# KiCad board Main.kicad_pcb
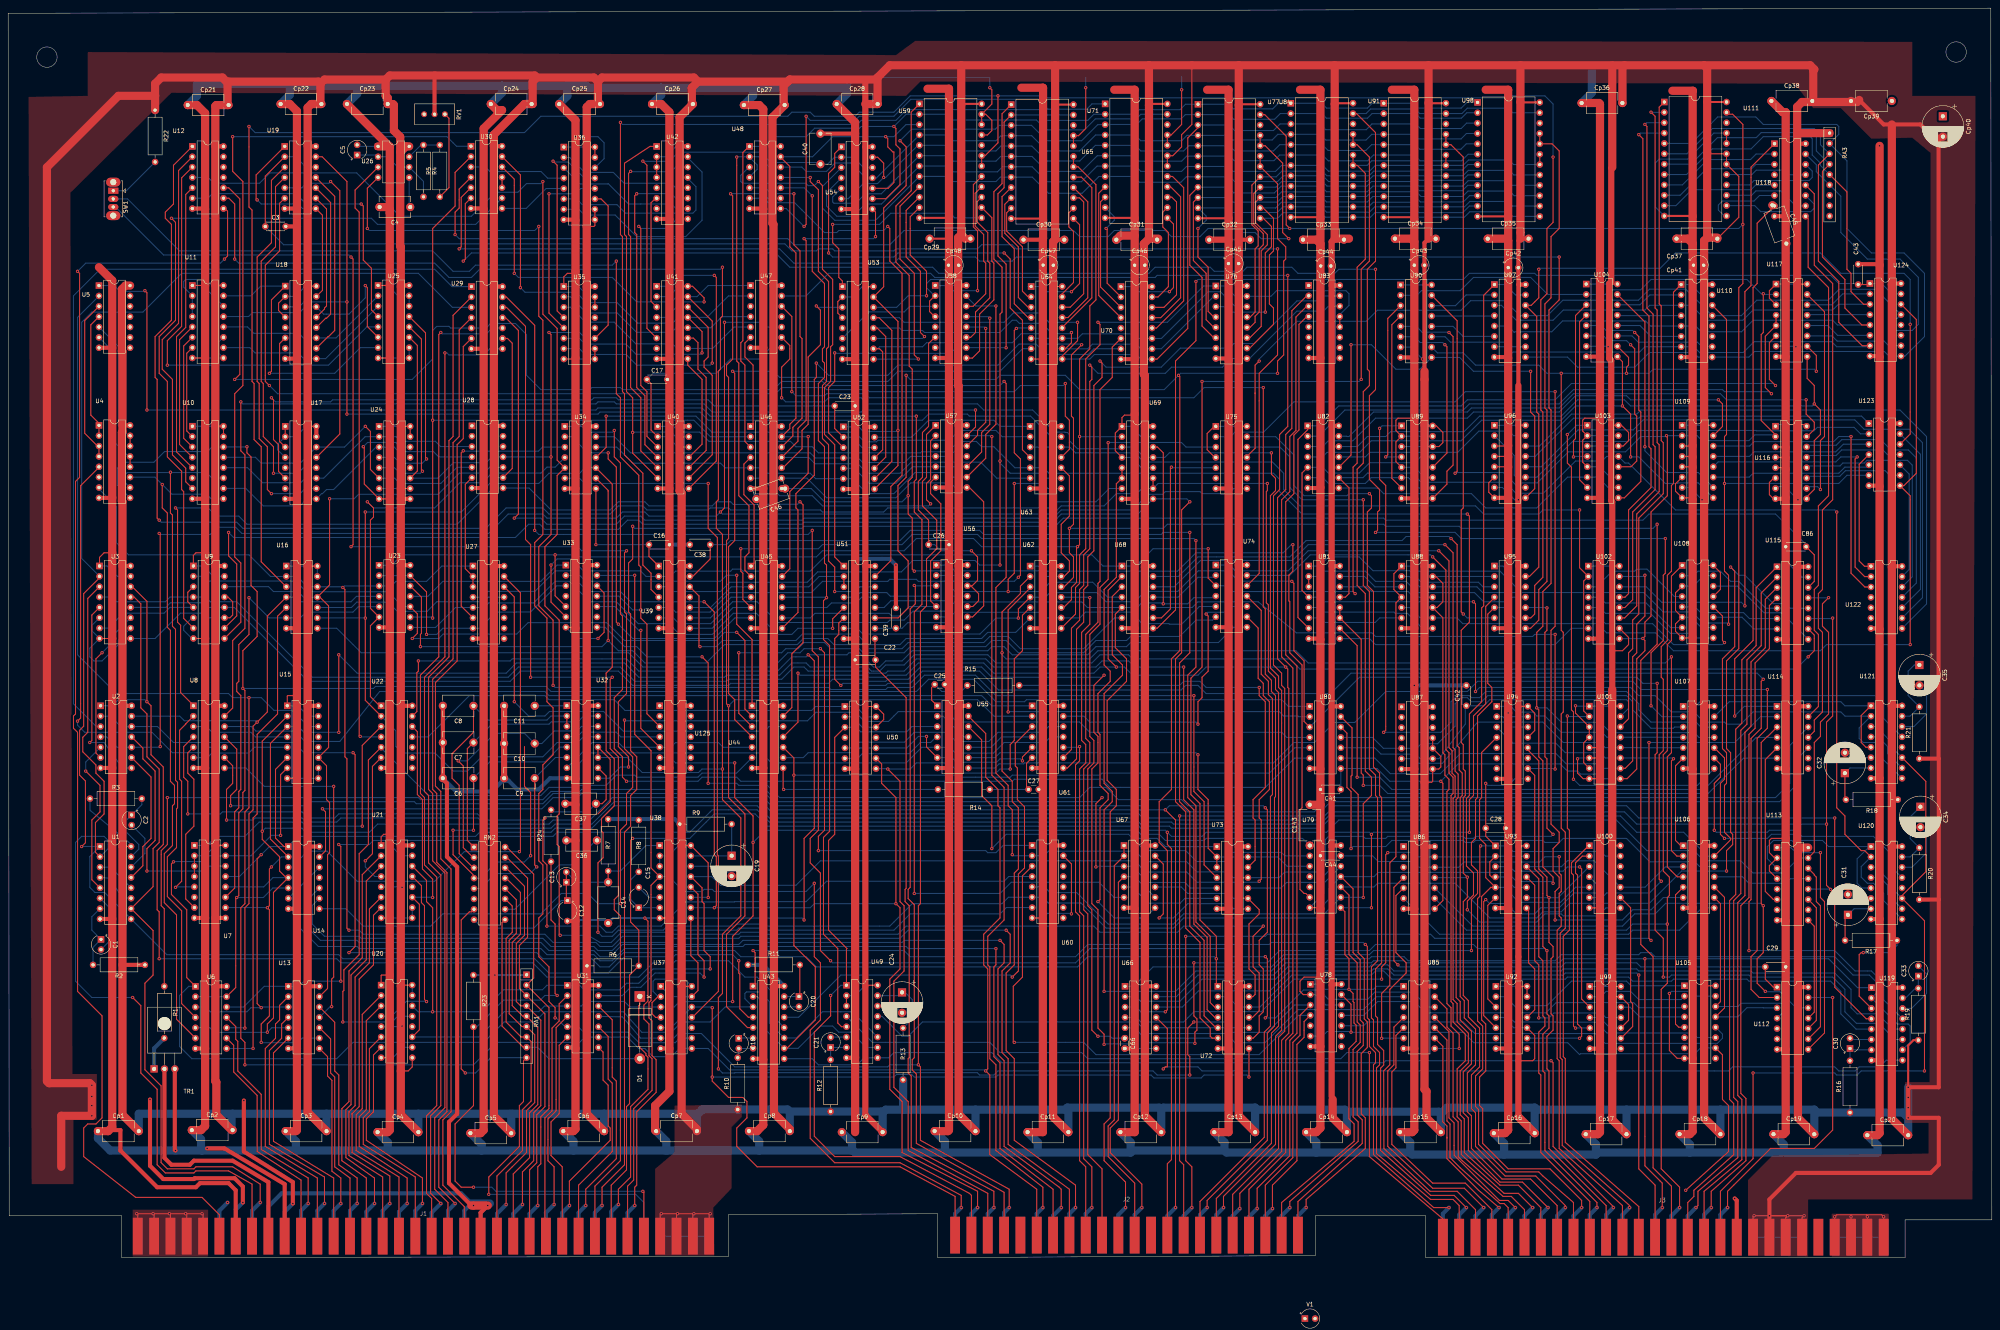
[diagram p0: board, top side]
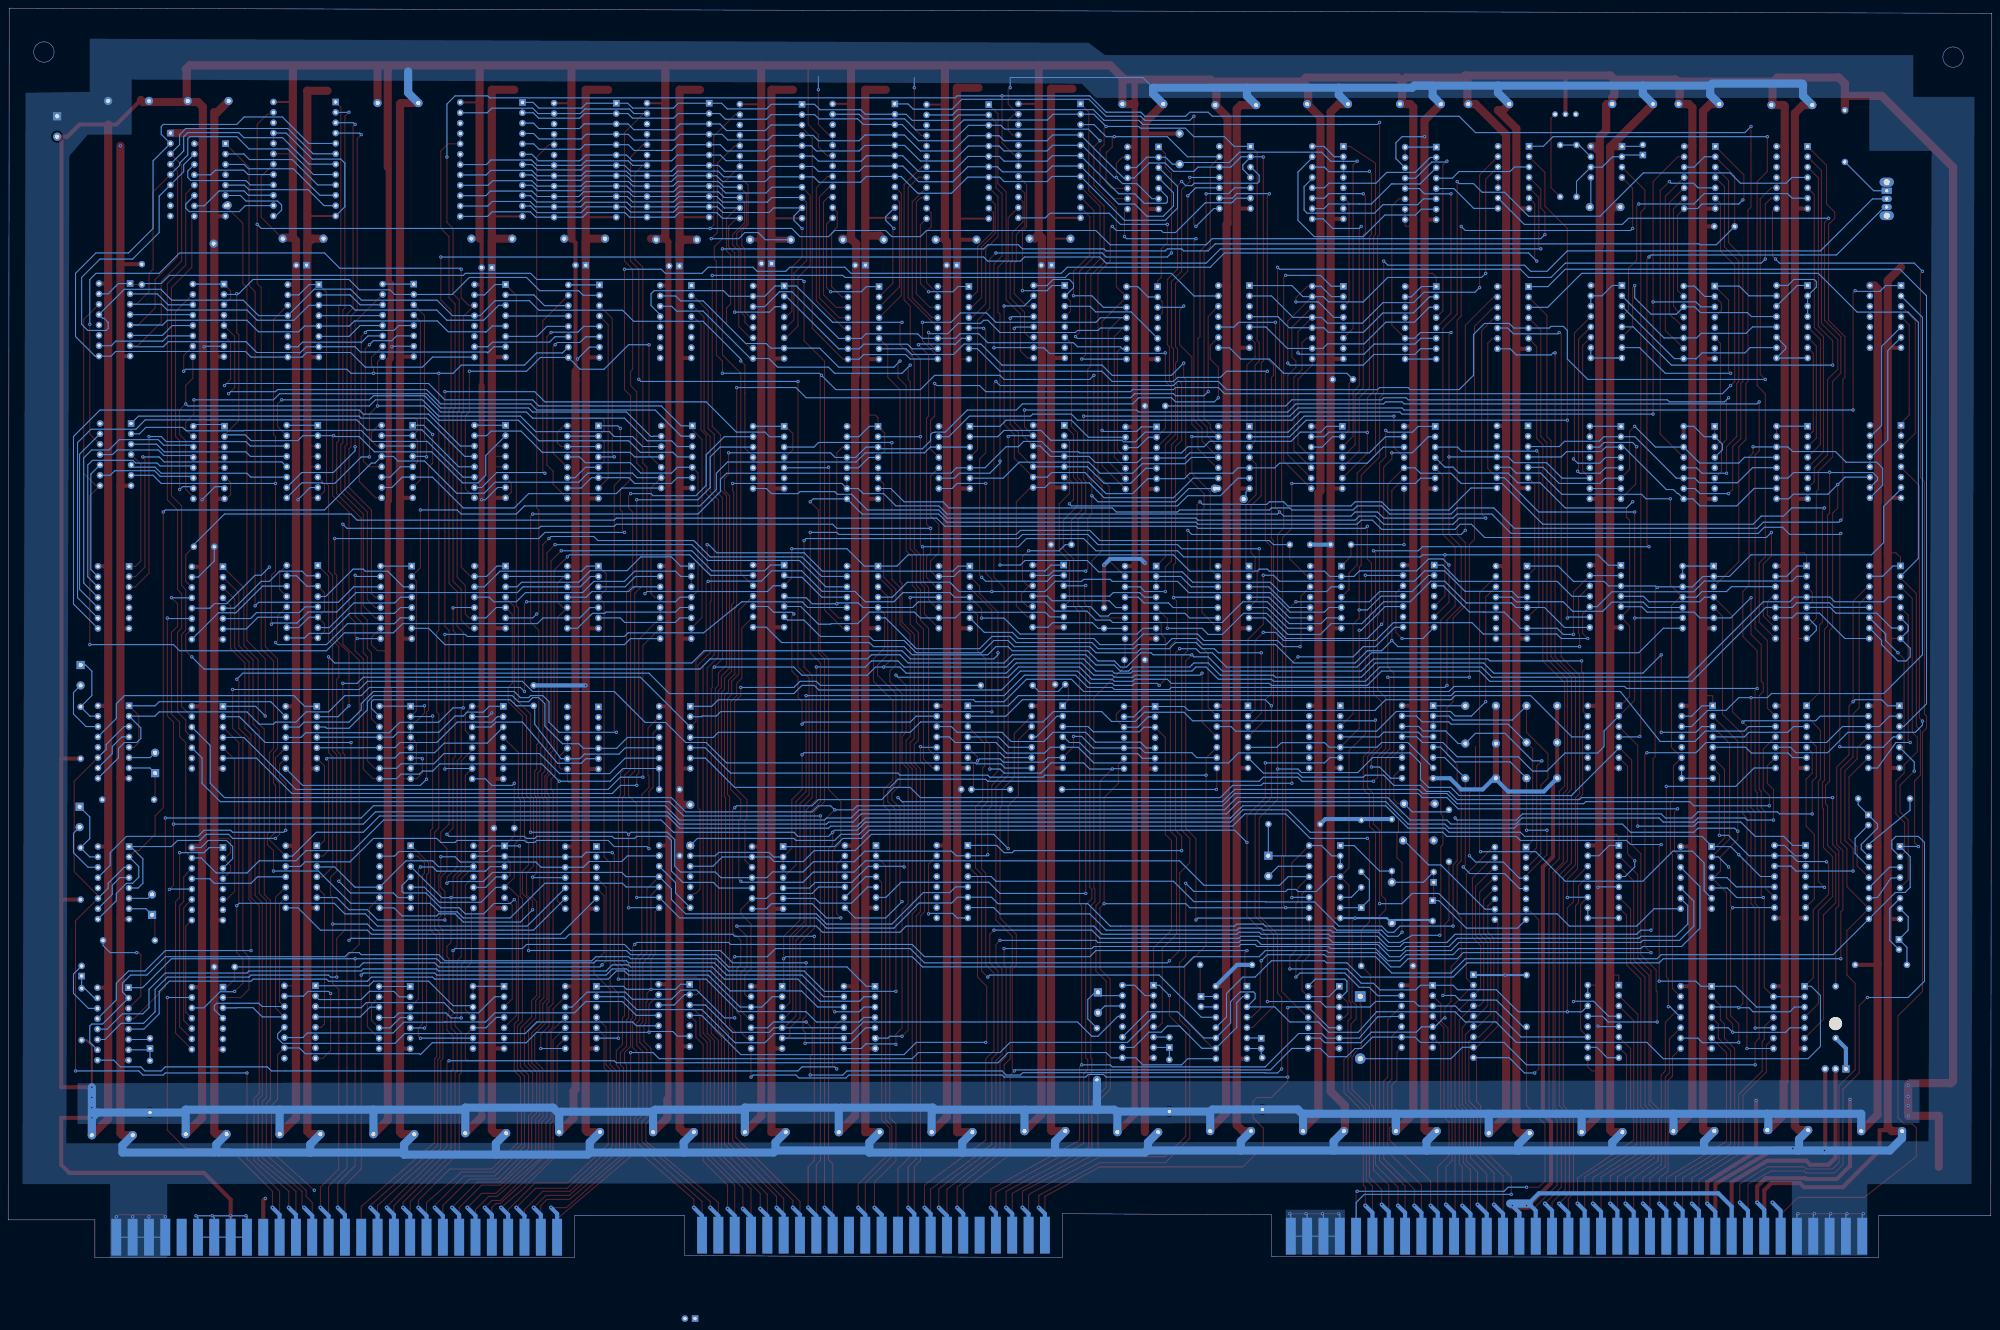
[diagram p1: board, bottom side, seen from below]

Outline 486 x 306.25 mm; copper layers: Top, Bottom. Coordinates in mm from the lower left corner of the outline.
Outline path: circle c9.5,294.25 r2.5 ; circle c477.25,295.5 r2.5 ; 0,305 0.25,10.25 27.75,10.25 27.75,0 176.5,0.25 176.5,10.5 227.75,10.75 227.75,0 320.25,0.5 320.25,10.25 347.25,10.25 347.25,0 464.75,0 464.75,9.25 486,9.25 485.75,306.25 0,305
Stack: Top 0.035mm / dielectric 1.51mm FR4 er 4.5 / Bottom 0.035mm

## Placement (name value [footprint] x y rotation side)
C1  4.7m  [CP_Radial_Tantal_D4.5mm_P2.50mm]  22.75 78 270 top
C2  4.7m  [CP_Radial_Tantal_D4.5mm_P2.50mm]  30.25 108.5 270 top
C3  470p  [C_Disc_D4.3mm_W1.9mm_P5.00mm]  63 252.75 0 top
C4  0.1u  [C_Disc_D7.5mm_W5.0mm_P7.50mm]  98.5 257.5 180 top
C5  47u  [CP_Radial_Tantal_D4.5mm_P2.50mm]  85.5 270.25 90 top
C6  680p  [C_Disc_D7.5mm_W5.0mm_P7.50mm]  114 117.5 180 top
C7  0.1u  [C_Disc_D7.5mm_W5.0mm_P7.50mm]  114 126.25 180 top
C8  0.1u  [C_Disc_D7.5mm_W5.0mm_P7.50mm]  114 135.25 180 top
C9  0.1u  [C_Disc_D7.5mm_W5.0mm_P7.50mm]  129 117.5 180 top
C10  0.1u  [C_Disc_D7.5mm_W5.0mm_P7.50mm]  129 126 180 top
C11  470m  [C_Disc_D7.5mm_W5.0mm_P7.50mm]  129 135.25 180 top
C12  0.01m  [CP_Radial_Tantal_D4.5mm_P5.00mm]  137 87.5 270 top
C13  0.01m  [CP_Radial_Tantal_D4.5mm_P2.50mm]  136.75 92 90 top
C14  47  [C_Disc_D7.5mm_W5.0mm_P10.00mm]  147 92 270 top
C15  0.1m  [CP_Radial_Tantal_D4.5mm_P5.00mm]  154.5 85.75 90 top
C16  470p  [C_Disc_D4.3mm_W1.9mm_P5.00mm]  157 174.75 0 top
C17  470p  [C_Disc_D4.3mm_W1.9mm_P5.00mm]  156.5 215.25 0 top
C18  15u  [CP_Radial_Tantal_D4.5mm_P2.50mm]  179 53.75 270 top
C19  470m  [CP_Radial_D10.0mm_P5.00mm]  177.25 98.5 270 top
C20  10u  [CP_Radial_Tantal_D4.5mm_P2.50mm]  193.75 64 270 top
C21  22m  [CP_Radial_Tantal_D4.5mm_P2.50mm]  201.5 51.5 90 top
C22  470p  [C_Disc_D4.3mm_W1.9mm_P5.00mm]  212.5 146.5 180 top
C23  470p  [C_Disc_D4.3mm_W1.9mm_P5.00mm]  202.5 208.75 0 top
C24  100m  [CP_Radial_D10.0mm_P5.00mm]  219 65 270 top
C25  1000p  [C_Disc_D3.0mm_W1.6mm_P2.50mm]  227 140.5 0 top
C26  470p  [C_Disc_D4.3mm_W1.9mm_P5.00mm]  225.5 174.75 0 top
C27  1000p  [C_Disc_D3.0mm_W1.6mm_P2.50mm]  250 114.75 0 top
C28  470m  [C_Disc_D4.3mm_W1.9mm_P5.00mm]  362 105.25 0 top
C29  470m  [C_Disc_D4.3mm_W1.9mm_P5.00mm]  430.5 71.25 0 top
C30  10m  [CP_Radial_Tantal_D4.5mm_P2.50mm]  451.25 51.25 90 top
C31  470m  [CP_Radial_D10.0mm_P5.00mm]  450.75 84 90 top
C32  470m  [CP_Radial_D10.0mm_P5.00mm]  450 118.75 90 top
C33  10m  [CP_Radial_Tantal_D4.5mm_P2.50mm]  468 69 90 top
C34  470m  [CP_Radial_D10.0mm_P5.00mm]  468.5 110.5 270 top
C35  470m  [CP_Radial_D10.0mm_P5.00mm]  468.25 145.25 270 top
C36  0.1m  [C_Disc_D7.5mm_W5.0mm_P7.50mm]  144.25 102.25 180 top
C37  0.1m  [C_Disc_D7.5mm_W5.0mm_P7.50mm]  144 111.25 180 top
C38  680p  [C_Disc_D4.7mm_W2.5mm_P5.00mm]  172 174.75 180 top
C39  470p  [C_Disc_D4.3mm_W1.9mm_P5.00mm]  217.5 154.25 90 top
C40  680p  [C_Disc_D7.5mm_W5.0mm_P7.50mm]  199 268 90 top
C41  470p  [C_Disc_D4.3mm_W1.9mm_P5.00mm]  326.5 114.75 180 top
C42  470p  [C_Disc_D4.3mm_W1.9mm_P5.00mm]  357.25 135.25 90 top
C43  470m  [C_Disc_D4.3mm_W1.9mm_P5.00mm]  453.25 238.5 90 top
C44  470p  [C_Disc_D4.3mm_W1.9mm_P5.00mm]  326.5 98.5 180 top
C45  470p  [C_Disc_D7.5mm_W5.0mm_P10.00mm]  432.24 257.94 290 top
C46  470p  [C_Disc_D7.5mm_W5.0mm_P7.50mm]  190.36 188.5 200 top
C66  470m  [C_Disc_D3.0mm_W1.6mm_P2.50mm]  273.5 53.75 270 top
C86  0.01m  [C_Disc_D4.3mm_W1.9mm_P5.00mm]  440.5 174.25 180 top
C143  470p  [C_Disc_D7.5mm_W5.0mm_P10.00mm]  318.88 101 90 top
Cp1  100n  [C_Disc_D7.5mm_W5.0mm_P10.00mm]  22 31 0 top
Cp2  100n  [C_Disc_D7.5mm_W5.0mm_P10.00mm]  45 31.25 0 top
Cp3  100n  [C_Disc_D7.5mm_W5.0mm_P10.00mm]  68 31 0 top
Cp4  100n  [C_Disc_D7.5mm_W5.0mm_P10.00mm]  90.5 30.75 0 top
Cp5  100n  [C_Disc_D7.5mm_W5.0mm_P10.00mm]  113.25 30.5 0 top
Cp6  100n  [C_Disc_D7.5mm_W5.0mm_P10.00mm]  136 31 0 top
Cp7  100n  [C_Disc_D7.5mm_W5.0mm_P10.00mm]  158.75 31 0 top
Cp8  100n  [C_Disc_D7.5mm_W5.0mm_P10.00mm]  181.5 31 0 top
Cp9  100n  [C_Disc_D7.5mm_W5.0mm_P10.00mm]  204.25 30.75 0 top
Cp10  100n  [C_Disc_D7.5mm_W5.0mm_P10.00mm]  227 31 0 top
Cp11  100n  [C_Disc_D7.5mm_W5.0mm_P10.00mm]  249.75 30.75 0 top
Cp12  100n  [C_Disc_D7.5mm_W5.0mm_P10.00mm]  272.5 30.75 0 top
Cp13  100n  [C_Disc_D7.5mm_W5.0mm_P10.00mm]  295.5 30.75 0 top
Cp14  100n  [C_Disc_D7.5mm_W5.0mm_P10.00mm]  318 30.75 0 top
Cp15  100n  [C_Disc_D7.5mm_W5.0mm_P10.00mm]  341 30.75 0 top
Cp16  100n  [C_Disc_D7.5mm_W5.0mm_P10.00mm]  364 30.5 0 top
Cp17  100n  [C_Disc_D7.5mm_W5.0mm_P10.00mm]  386.5 30.25 0 top
Cp18  100n  [C_Disc_D7.5mm_W5.0mm_P10.00mm]  409.5 30.25 0 top
Cp19  100n  [C_Disc_D7.5mm_W5.0mm_P10.00mm]  432.5 30.25 0 top
Cp20  100n  [C_Disc_D7.5mm_W5.0mm_P10.00mm]  455.5 30 0 top
Cp21  100n  [C_Disc_D7.5mm_W5.0mm_P10.00mm]  44 282.5 0 top
Cp22  100n  [C_Disc_D7.5mm_W5.0mm_P10.00mm]  66.75 282.75 0 top
Cp23  100n  [C_Disc_D7.5mm_W5.0mm_P10.00mm]  83 282.75 0 top
Cp24  100n  [C_Disc_D7.5mm_W5.0mm_P10.00mm]  118.25 282.75 0 top
Cp25  100n  [C_Disc_D7.5mm_W5.0mm_P10.00mm]  135 282.75 0 top
Cp26  100n  [C_Disc_D7.5mm_W5.0mm_P10.00mm]  157.75 282.75 0 top
Cp27  100n  [C_Disc_D7.5mm_W5.0mm_P10.00mm]  180.25 282.5 0 top
Cp28  100n  [C_Disc_D7.5mm_W5.0mm_P10.00mm]  203 282.75 0 top
Cp29  100n  [C_Disc_D7.5mm_W5.0mm_P10.00mm]  225.75 249.75 0 top
Cp30  100n  [C_Disc_D7.5mm_W5.0mm_P10.00mm]  248.75 249.5 0 top
Cp31  100n  [C_Disc_D7.5mm_W5.0mm_P10.00mm]  271.5 249.5 0 top
Cp32  100n  [C_Disc_D7.5mm_W5.0mm_P10.00mm]  294.25 249.5 0 top
Cp33  100n  [C_Disc_D7.5mm_W5.0mm_P10.00mm]  317.25 249.5 0 top
Cp34  100n  [C_Disc_D7.5mm_W5.0mm_P10.00mm]  339.75 249.75 0 top
Cp35  100n  [C_Disc_D7.5mm_W5.0mm_P10.00mm]  362.5 249.75 0 top
Cp36  100n  [C_Disc_D7.5mm_W5.0mm_P10.00mm]  385.5 283 0 top
Cp37  100n  [C_Disc_D7.5mm_W5.0mm_P10.00mm]  408.75 249.75 0 top
Cp38  100n  [C_Disc_D7.5mm_W5.0mm_P10.00mm]  432 283.5 0 top
Cp39  100n  [C_Disc_D7.5mm_W5.0mm_P10.00mm]  461.5 283.5 180 top
Cp40  100n  [CP_Radial_D10.0mm_P5.00mm]  474 279.75 270 top
Cp41  100n  [CP_Radial_Tantal_D4.5mm_P2.50mm]  412.9 243.25 0 top
Cp42  100n  [CP_Radial_Tantal_D4.5mm_P2.50mm]  367.5 242.65 0 top
Cp43  100n  [CP_Radial_Tantal_D4.5mm_P2.50mm]  344.5 243.25 0 top
Cp44  100n  [CP_Radial_Tantal_D4.5mm_P2.50mm]  321.57 243.05 0 top
Cp45  100n  [CP_Radial_Tantal_D4.5mm_P2.50mm]  298.97 243.65 0 top
Cp46  100n  [CP_Radial_Tantal_D4.5mm_P2.50mm]  275.97 243.25 0 top
Cp47  100n  [CP_Radial_Tantal_D4.5mm_P2.50mm]  253.57 243.25 0 top
Cp48  100n  [CP_Radial_Tantal_D4.5mm_P2.50mm]  230.37 243.25 0 top
D1  SiB01-02  [D_DO-201AE_P15.24mm_Horizontal]  154.75 64 270 top
J1  Conn_01x36_Pin  [MainA]  101.75 10.25 0 top
J2  Conn_01x22  [MainB]  274 10.5 0 top
J3  Conn_01x28_Pin  [MainC]  405.5 10 0 top
R1  560  [R_Axial_DIN0309_L9.0mm_D3.2mm_P12.70mm_Horizontal]  38.25 66.5 270 top
R2  47k  [R_Axial_DIN0309_L9.0mm_D3.2mm_P12.70mm_Horizontal]  33.5 71.75 180 top
R3  47k  [R_Axial_DIN0309_L9.0mm_D3.2mm_P12.70mm_Horizontal]  20.05 112.5 0 top
R4  12k  [R_Axial_DIN0309_L9.0mm_D3.2mm_P12.70mm_Horizontal]  101.75 272.7 270 top
R5  3.3k  [R_Axial_DIN0309_L9.0mm_D3.2mm_P12.70mm_Horizontal]  105.75 260 90 top
R6  1k  [R_Axial_DIN0309_L9.0mm_D3.2mm_P12.70mm_Horizontal]  141.8 71.5 0 top
R7  100k  [R_Axial_DIN0309_L9.0mm_D3.2mm_P12.70mm_Horizontal]  147 94.75 90 top
R8  47k  [R_Axial_DIN0309_L9.0mm_D3.2mm_P12.70mm_Horizontal]  154.5 107.25 270 top
R9  47k  [R_Axial_DIN0309_L9.0mm_D3.2mm_P12.70mm_Horizontal]  164.55 106.25 0 top
R10  47k  [R_Axial_DIN0309_L9.0mm_D3.2mm_P12.70mm_Horizontal]  178.75 36.3 90 top
R11  47k  [R_Axial_DIN0309_L9.0mm_D3.2mm_P12.70mm_Horizontal]  181.25 71.75 0 top
R12  47k  [R_Axial_DIN0309_L9.0mm_D3.2mm_P12.70mm_Horizontal]  201.5 35.8 90 top
R13  47k  [R_Axial_DIN0309_L9.0mm_D3.2mm_P12.70mm_Horizontal]  219.25 43.55 90 top
R14  220  [R_Axial_DIN0309_L9.0mm_D3.2mm_P12.70mm_Horizontal]  227.8 114.75 0 top
R15  220  [R_Axial_DIN0309_L9.0mm_D3.2mm_P12.70mm_Horizontal]  247.7 140.25 180 top
R16  47k  [R_Axial_DIN0309_L9.0mm_D3.2mm_P12.70mm_Horizontal]  451.25 35.55 90 top
R17  47k  [R_Axial_DIN0309_L9.0mm_D3.2mm_P12.70mm_Horizontal]  462.75 77.75 180 top
R18  47k  [R_Axial_DIN0309_L9.0mm_D3.2mm_P12.70mm_Horizontal]  462.95 112.25 180 top
R19  47k  [R_Axial_DIN0309_L9.0mm_D3.2mm_P12.70mm_Horizontal]  468 53.3 90 top
R20  47k  [R_Axial_DIN0309_L9.0mm_D3.2mm_P12.70mm_Horizontal]  468.25 100.45 270 top
R21  47k  [R_Axial_DIN0309_L9.0mm_D3.2mm_P12.70mm_Horizontal]  468.25 122.3 90 top
R22  1k  [R_Axial_DIN0309_L9.0mm_D3.2mm_P12.70mm_Horizontal]  36 281.25 270 top
R23  560  [R_Axial_DIN0309_L9.0mm_D3.2mm_P12.70mm_Horizontal]  114 69.25 270 top
R24  100  [R_Axial_DIN0309_L9.0mm_D3.2mm_P12.70mm_Horizontal]  133 97.05 90 top
RA1  560  [R_Array_SIP9]  127 69.32 270 top
RA3  5.6k  [R_Array_SIP9]  446.25 275.62 270 top
RN2  100  [DIP-16_W7.62mm]  114.13 100.62 0 top
RV1  10k  [Potentiometer_Bourns_3386C_Horizontal]  107 280.25 270 top
SW1  1COIN 1PLAY/1COIN 2PLAY  [SW_Slide_1P2T_CK_OS102011MS2Q]  25.75 261.5 270 top
TR1  Q_NPN_BEC  [TO-126-3_Horizontal_TabDown]  35.75 46.25 0 top
U1  74LS123  [DIP-16_W7.62mm]  22.5 100.78 0 top
U2  74LS08  [DIP-14_W7.62mm]  22.63 135.25 0 top
U3  74LS153  [DIP-16_W7.62mm]  22.38 169.53 0 top
U4  74LS151  [DIP-16_W7.62mm]  22.25 203.99 0 top
U5  74LS393  [DIP-14_W7.62mm]  22.25 238.25 0 top
U6  74LS04  [DIP-14_W7.62mm]  45.88 66.49 0 top
U7  74LS85  [DIP-16_W7.62mm]  45.63 101.03 0 top
U8  74LS00  [DIP-14_W7.62mm]  45.38 135.25 0 top
U9  74LS153  [DIP-16_W7.62mm]  45.38 169.53 0 top
U10  74LS85  [DIP-16_W7.62mm]  45.13 203.78 0 top
U11  74LS85  [DIP-16_W7.62mm]  45.13 238.28 0 top
U12  74LS00  [DIP-14_W7.62mm]  45.13 272.37 0 top
U13  74LS07  [DIP-14_W7.62mm]  68.63 66.5 0 top
U14  74LS20  [DIP-14_W7.62mm]  68.63 100.75 0 top
U15  74LS193  [DIP-16_W7.62mm]  68.38 135.25 0 top
U16  74LS86  [DIP-14_W7.62mm]  68.13 169.5 0 top
U17  74LS85  [DIP-16_W7.62mm]  67.88 203.75 0 top
U18  74LS85  [DIP-16_W7.62mm]  67.88 238.12 0 top
U19  74LS393  [DIP-14_W7.62mm]  67.75 272.37 0 top
U20  74LS192  [DIP-16_W7.62mm]  91.38 66.78 0 top
U21  74LS192  [DIP-16_W7.62mm]  91.38 101.03 0 top
U22  74LS08  [DIP-14_W7.62mm]  91.38 135.25 0 top
U23  74LS32  [DIP-14_W7.62mm]  90.88 169.7 0 top
U24  74LS193  [DIP-16_W7.62mm]  90.88 203.75 0 top
U25  74LS193  [DIP-16_W7.62mm]  90.63 238.28 0 top
U26  NE555P  [DIP-8_W7.62mm]  90.63 272.37 0 top
U27  74LS279  [DIP-16_W7.62mm]  113.88 169.5 0 top
U28  74LS10  [DIP-14_W7.62mm]  113.63 203.87 0 top
U29  74LS07P  [DIP-14_W7.62mm]  113.5 238 0 top
U30  74LS00  [DIP-14_W7.62mm]  113.38 272.41 0 top
U31  74LS07P  [DIP-14_W7.62mm]  137 66.74 0 top
U32  74LS279  [DIP-16_W7.62mm]  136.88 135.28 0 top
U33  74LS74  [DIP-14_W7.62mm]  136.63 169.74 0 top
U34  74LS08  [DIP-14_W7.62mm]  136.38 203.74 0 top
U35  74LS193  [DIP-16_W7.62mm]  136.13 238.03 0 top
U36  74LS193  [DIP-16_W7.62mm]  136.13 272.2 0 top
U37  74LS74  [DIP-14_W7.62mm]  159.88 66.5 0 top
U38  74LS123  [DIP-16_W7.62mm]  159.63 101 0 top
U39  74LS393  [DIP-14_W7.62mm]  159.38 169.5 0 top
U40  74LS393  [DIP-14_W7.62mm]  159.13 203.75 0 top
U41  74LS85  [DIP-16_W7.62mm]  158.88 238.08 0 top
U42  74LS85  [DIP-16_W7.62mm]  158.88 272.37 0 top
U43  74LS123  [DIP-16_W7.62mm]  182.5 66.53 0 top
U44  74LS04  [DIP-14_W7.62mm]  182.25 135.24 0 top
U45  74LS10  [DIP-14_W7.62mm]  182 169.49 0 top
U46  74LS04  [DIP-14_W7.62mm]  181.88 203.74 0 top
U47  74LS20  [DIP-14_W7.62mm]  181.88 238.25 0 top
U48  74LS00  [DIP-14_W7.62mm]  181.63 272.37 0 top
U49  74LS123  [DIP-16_W7.62mm]  205.38 66.75 0 top
U50  74LS74  [DIP-14_W7.62mm]  205 135.08 0 top
U51  74LS279  [DIP-16_W7.62mm]  204.75 169.49 0 top
U52  74LS393  [DIP-14_W7.62mm]  204.63 203.62 0 top
U53  74LS85  [DIP-16_W7.62mm]  204.38 238 0 top
U54  74LS393  [DIP-14_W7.62mm]  204.13 272.25 0 top
U55  74LS32  [DIP-14_W7.62mm]  227.63 135.24 0 top
U56  74LS00  [DIP-14_W7.62mm]  227.38 169.74 0 top
U57  74LS20  [DIP-14_W7.62mm]  227.25 204 0 top
U58  74LS85  [DIP-16_W7.62mm]  227.13 238.28 0 top
U59  MB7137  [DIP-24_W15.24mm]  223.26 282.79 0 top
U60  74LS157  [DIP-16_W7.62mm]  250.88 101.03 0 top
U61  74LS02  [DIP-14_W7.62mm]  250.88 135.24 0 top
U62  74LS32  [DIP-14_W7.62mm]  250.38 169.49 0 top
U63  74LS02  [DIP-14_W7.62mm]  250.38 203.75 0 top
U64  74LS151  [DIP-16_W7.62mm]  250.63 238.03 0 top
U65  MB7137  [DIP-24_W15.24mm]  245.75 282.61 0 top
U66  74LS08  [DIP-14_W7.62mm]  273.63 66.49 0 top
U67  7450  [DIP-14_W7.62mm]  273.38 100.99 0 top
U68  74LS00  [DIP-14_W7.62mm]  272.88 169.5 0 top
U69  74LS153  [DIP-16_W7.62mm]  272.88 203.75 0 top
U70  74LS151  [DIP-16_W7.62mm]  272.63 238 0 top
U71  MB7137  [DIP-24_W15.24mm]  268.76 282.78 0 top
U72  74LS02  [DIP-14_W7.62mm]  296.38 66.49 0 top
U73  74LS04  [DIP-14_W7.62mm]  296.13 100.74 0 top
U74  74LS27  [DIP-14_W7.62mm]  295.88 169.75 0 top
U75  74LS74  [DIP-14_W7.62mm]  295.88 203.75 0 top
U76  74LS153  [DIP-16_W7.62mm]  295.88 238.16 0 top
U77  MB7137  [DIP-24_W15.24mm]  291.5 282.69 0 top
U78  74LS393  [DIP-14_W7.62mm]  319.03 66.99 0 top
U79  74LS393  [DIP-14_W7.62mm]  318.88 101 0 top
U80  74LS10  [DIP-14_W7.62mm]  318.88 135.12 0 top
U81  74LS279  [DIP-16_W7.62mm]  318.63 169.5 0 top
U82  74LS04  [DIP-14_W7.62mm]  318.38 203.87 0 top
U83  74LS42  [DIP-16_W7.62mm]  318.63 238.28 0 top
U84  MB7137  [DIP-24_W15.24mm]  314.25 282.95 0 top
U85  74LS11  [DIP-14_W7.62mm]  341.88 66.49 0 top
U86  74LS02  [DIP-14_W7.62mm]  341.88 100.75 0 top
U87  74LS107  [DIP-14_W7.62mm]  341.38 134.99 0 top
U88  74LS32  [DIP-14_W7.62mm]  341.38 169.49 0 top
U89  74LS157  [DIP-16_W7.62mm]  341.38 203.87 0 top
U90  74LS161  [DIP-16_W7.62mm]  341.13 238.41 0 top
U91  MB7137  [DIP-24_W15.24mm]  337.01 282.95 0 top
U92  74LS74  [DIP-14_W7.62mm]  364.5 66.49 0 top
U93  74LS08  [DIP-14_W7.62mm]  364.38 100.91 0 top
U94  74LS259  [DIP-16_W7.62mm]  364.7 135.12 0 top
U95  74LS32  [DIP-14_W7.62mm]  364.13 169.5 0 top
U96  74LS161  [DIP-16_W7.62mm]  364.13 204 0 top
U97  74LS367  [DIP-16_W7.62mm]  364.13 238.5 0 top
U98  MB7137  [DIP-24_W15.24mm]  360 283.15 0 top
U99  74LS74  [DIP-14_W7.62mm]  387.5 66.45 0 top
U100  7450  [DIP-14_W7.62mm]  387.38 100.95 0 top
U101  74LS161  [DIP-16_W7.62mm]  387.38 135.16 0 top
U102  74LS161  [DIP-16_W7.62mm]  387.13 169.49 0 top
U103  74LS157  [DIP-16_W7.62mm]  386.88 204 0 top
U104  74LS161  [DIP-16_W7.62mm]  386.63 238.62 0 top
U105  74S288  [DIP-16_W7.62mm]  410.7 66.62 0 top
U106  74LS08  [DIP-14_W7.62mm]  410.38 100.95 0 top
U107  74LS10  [DIP-14_W7.62mm]  410.38 135.12 0 top
U108  74LS157  [DIP-16_W7.62mm]  410.13 169.66 0 top
U109  74LS161  [DIP-16_W7.62mm]  410.13 204 0 top
U110  74LS367  [DIP-16_W7.62mm]  409.88 238.5 0 top
U111  MB7137  [DIP-24_W15.24mm]  405.76 283.25 0 top
U112  74LS393  [DIP-14_W7.62mm]  433.38 66.29 0 top
U113  74LS85  [DIP-16_W7.62mm]  433.38 100.49 0 top
U114  74LS04  [DIP-14_W7.62mm]  433.38 135.12 0 top
U115  74S288  [DIP-16_W7.62mm]  433.38 169.33 0 top
U116  74LS161  [DIP-16_W7.62mm]  433 203.78 0 top
U117  74LS161  [DIP-16_W7.62mm]  433.13 238.62 0 top
U118  74LS157  [DIP-16_W7.62mm]  432.75 273.03 0 top
U119  74LS123  [DIP-16_W7.62mm]  456.5 66.16 0 top
U120  74LS123  [DIP-16_W7.62mm]  456.38 100.75 0 top
U121  74LS123  [DIP-16_W7.62mm]  456.38 135.25 0 top
U122  74LS02  [DIP-14_W7.62mm]  456.38 169.45 0 top
U123  74LS10  [DIP-14_W7.62mm]  455.88 204.45 0 top
U124  74LS367  [DIP-16_W7.62mm]  456.13 238.75 0 top
U125  74LS11  [DIP-14_W7.62mm]  159.63 135.25 0 top
V1  1  [CP_Radial_Tantal_D4.5mm_P2.50mm]  317.7 -14.95 0 top

## Library data of the parts
C1-C26 C28-C46 C66 C86 C143 = -: Description: Polarized capacitor, US symbol
C27 Cp1-Cp48 = -: Description: Unpolarized capacitor
D1 = -: Description: Diode; Sim.Device: D; Sim.Pins: 1=K 2=A
J1 = -: Description: Generic connector, double row, 02x36, top/bottom pin numbering scheme (row 1: 1...pins_per_row, row2: pins_per_row+1 ... num_pins), script generated (kicad-library-utils/schlib/autogen/connector/)
J2 = -: Description: Generic connector, double row, 02x22, top/bottom pin numbering scheme (row 1: 1...pins_per_row, row2: pins_per_row+1 ... num_pins), script generated (kicad-library-utils/schlib/autogen/connector/)
J3 = -: Description: Generic connector, double row, 02x28, top/bottom pin numbering scheme (row 1: 1...pins_per_row, row2: pins_per_row+1 ... num_pins), script generated (kicad-library-utils/schlib/autogen/connector/)
R1-R24 = -: Description: Resistor, US symbol
RA1 RA3 = -: Description: 8 resistor network, star topology, bussed resistors, small US symbol; Sim.Device: R; Sim.Params: r=""; Sim.Pins: 1=+ 2=-
RN2 = -: Description: 8 resistor network, parallel topology, split; Sim.Device: R; Sim.Params: r=100; Sim.Pins: 1=+ 2=-
RV1 = -: Description: Potentiometer, US symbol; Sim.Device: R; Sim.Params: r=""; Sim.Pins: 1=r0 2=wiper 3=r1; Sim.Type: POT
SW1 = -: Description: Switch, single pole double throw
TR1 = -: Description: NPN transistor, base/collector/emitter; Sim.Device: NPN; Sim.Pins: 1=C 2=B 3=E; Sim.Type: VBIC
U1 U38 U43 U49 U119-U121 = -: Description: Dual retriggerable Monostable; Sim.Device: SUBCKT; Sim.Library: ../7400.LIB; Sim.Name: 74123; Sim.Pins: 1=clrbar 2=a 3=b 4=cext 5=rext/cext 6=q 7=qbar 8=TTLout 9=TTLout
U2 U22 U34 U66 U93 U106 = -: Description: Quad And2; Sim.Device: SUBCKT; Sim.Library: ../7400.LIB; Sim.Name: 7408; Sim.Pins: 1=in1 2=in2 3=out
U3 = -: Description: Dual Multiplexer 4 to 1; Sim.Device: SUBCKT; Sim.Library: /home/stoned/MonacoGP/7400.LIB; Sim.Name: 74153
U4 U70 = -: Description: Multiplexer 8 to 1; Sim.Device: SUBCKT; Sim.Library: ../7400.LIB; Sim.Name: 74151A; Sim.Pins: 1=ebar 2=s0 3=s1 4=s2 5=i0 6=i1 7=i2 8=i3 9=i4 10=i5 11=i6 12=i7 13=z 14=zbar 15=TTLin 16=TTLin
U5 U19 U39 U40 U52 U54 U78 U79 U112 = -: Description: Dual BCD 4-bit counter; Sim.Device: SUBCKT; Sim.Library: ../7400.LIB; Sim.Name: 74393
U6 U44 U46 U73 U82 U114 = -: Description: Hex Inverter; Sim.Device: SUBCKT; Sim.Library: ../7400.LIB; Sim.Name: 7404; Sim.Pins: 1=in 2=out
U7 U10 U11 U17 U18 U42 U53 U58 U113 = -: Description: 4-bit Comparator; Sim.Device: SUBCKT; Sim.Library: ../7400.LIB; Sim.Name: 7485
U8 U12 U30 U48 U56 U68 = -: Description: quad 2-input NAND gate; Sim.Device: SUBCKT; Sim.Library: ../7400.LIB; Sim.Name: 7400; Sim.Pins: 1=in1 2=in2 3=out
U9 U69 U76 = -: Description: Dual Multiplexer 4 to 1; Sim.Device: SUBCKT; Sim.Library: ../7400.LIB; Sim.Name: 74153
U13 = -: Description: Hex Buffers and Drivers With Open Collector High Voltage Outputs; Sim.Device: SUBCKT; Sim.Library: ../7400.LIB; Sim.Name: 7407; Sim.Pins: 1=in 2=out
U14 U47 U57 = -: Description: Dual 4-input NAND; Sim.Device: SUBCKT; Sim.Library: ../7400.LIB; Sim.Name: 7420; Sim.Pins: 1=in1 2=in2 4=in4 5=out
U15 U24 U25 U35 = -: Description: Synchronous 4-bit Up/Down (2 clk) counter; Sim.Device: SUBCKT; Sim.Library: ../7400.LIB; Sim.Name: 74193
U16 = -: Description: Quad 2-input XOR; Sim.Device: SUBCKT; Sim.Library: ../7400.LIB; Sim.Name: 7486; Sim.Pins: 1=in1 2=in2 3=out
U20 U21 = -: Description: Synchronous 4-bit Up/Down (2 clk) counter; Sim.Device: SUBCKT; Sim.Name: 74192
U23 U55 U62 U88 U95 = -: Description: Quad 2-input OR; Sim.Device: SUBCKT; Sim.Library: ../7400.LIB; Sim.Name: 7432; Sim.Pins: 1=in1 2=in2 3=out
U26 = -: Description: Precision Timers, 555 compatible,  PDIP-8; Sim.Device: SUBCKT; Sim.Library: ../IC.LIB; Sim.Name: UA555; Sim.Pins: 1=32 2=30 3=19 4=23 5=33 6=1 7=21
U27 U32 U51 U81 = -: Description: Quad S-R Latch; Sim.Device: SUBCKT; Sim.Library: ../7400.LIB; Sim.Name: 74279; Sim.Pins: 1=1rb 2=1s1b 3=1s2b 4=2rb 5=2sb 6=1q 7=2q
U28 U45 U80 U107 U123 = -: Description: Triple 3-input NAND; Sim.Device: SUBCKT; Sim.Library: ../7400.LIB; Sim.Name: 7410; Sim.Pins: 1=in1 2=in2 3=in3 4=out
U29 U31 = -: Description: Hex Buffers and Drivers With Open Collector High Voltage Outputs; Sim.Device: SUBCKT; Sim.Library: ../7400.LIB; Sim.Name: 7417; Sim.Pins: 1=in 2=out
U33 U37 U50 U75 U92 U99 = -: Description: Dual D Flip-flop, Set & Reset; Sim.Device: SUBCKT; Sim.Library: ../7400.LIB; Sim.Name: 7474; Sim.Pins: 1=clrbar 2=d 3=clk 4=prebar 5=q 6=qbar
U36 = -: Description: Synchronous 4-bit Up/Down (2 clk) counter; Sim.Device: SUBCKT; Sim.Library: /home/stoned/MonacoGP/7400.LIB; Sim.Name: 74193
U41 = -: Description: 4-bit Comparator; Sim.Device: SUBCKT; Sim.Library: /home/stoned/MonacoGP/7400.LIB; Sim.Name: 7485